# KiCad board H3.kicad_pcb (continued)
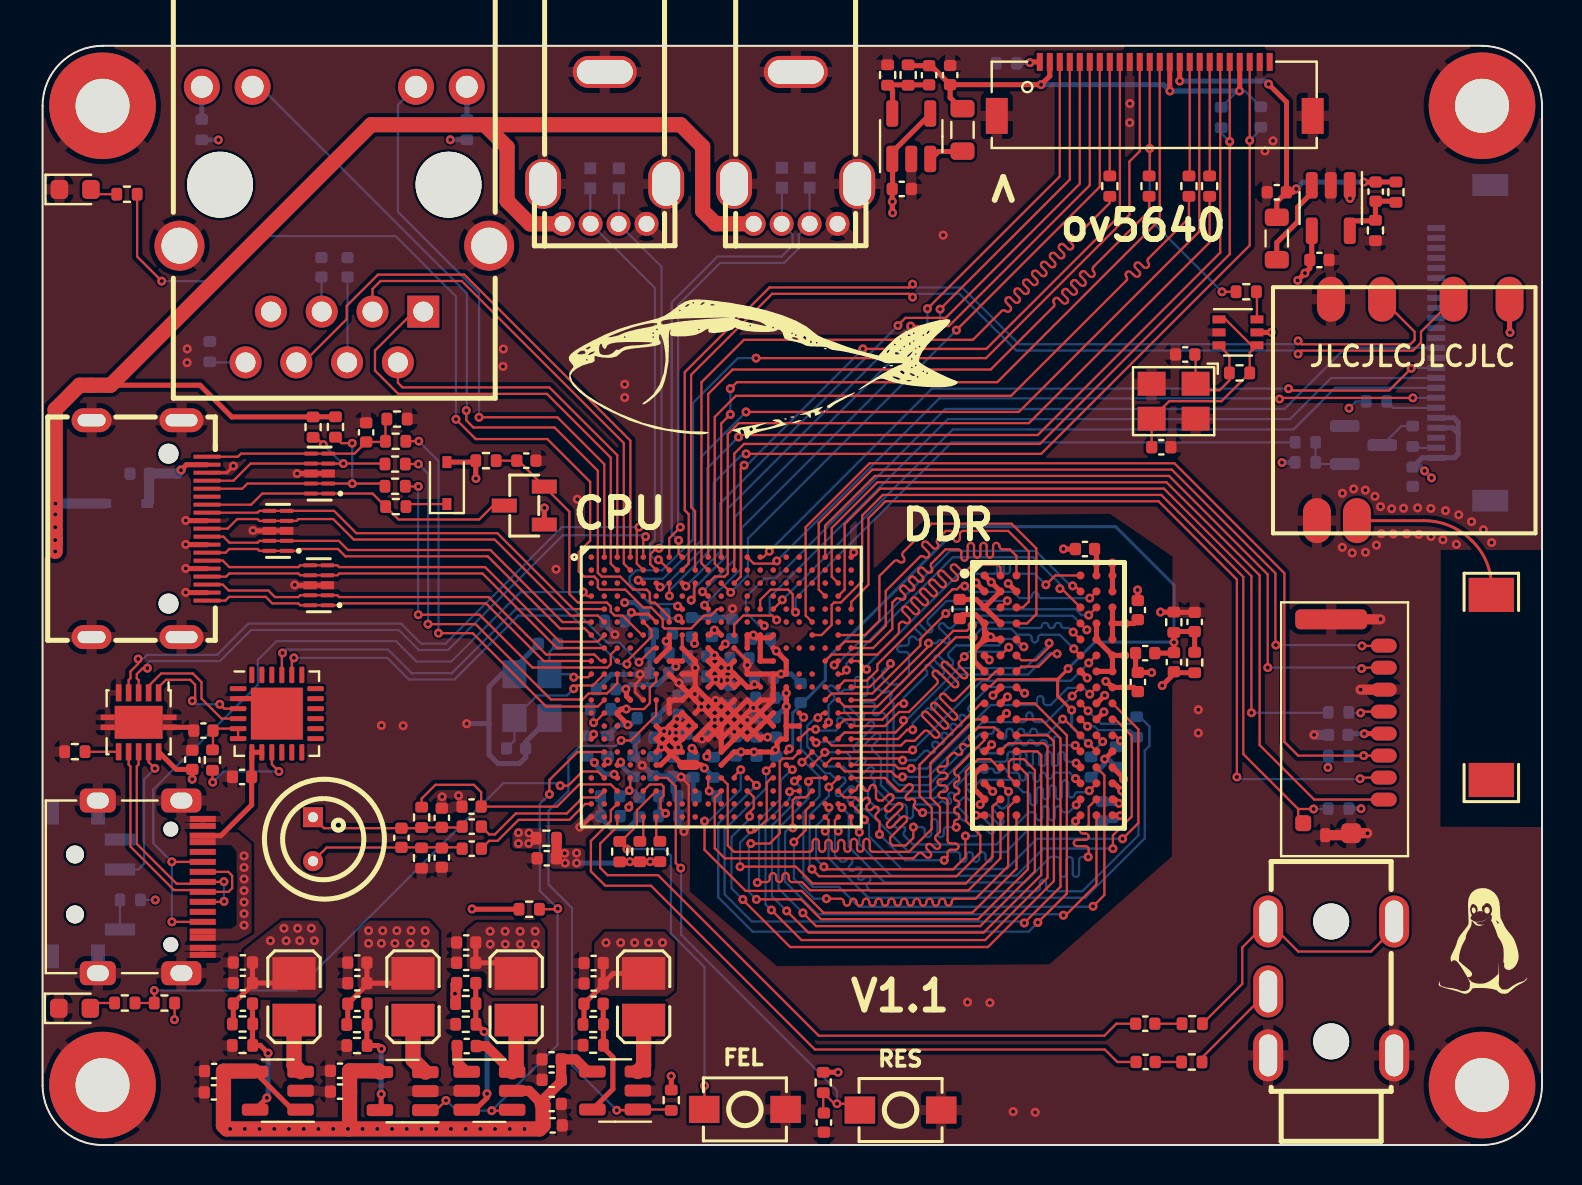
[diagram p0: board, top side]
## Routing (per net, layer and track width the routed paths; a pad name or vN(x,y) marks a point on that pad's centre or on a via; arc(x,y) is an arc through that point) (continued)
/DRAM/SA5: length 19.6
  Top w0.114: DU1.P2 47.91,18.09 v1(48.31,17.69) ; v1(39.08,13.92) 39.21,13.79 45.54,13.79 46.16,14.41 v1(46.16,15.46) ; U1.Y19 39.15,17.07 v1(39.34,16.89)
  Bottom w0.114: v1(39.34,16.89) 39.34,16.6 38.69,15.96 38.69,14.31 v1(39.08,13.92) ; v1(48.31,17.69) 48.31,17.08 48.12,16.88 arc(48,16.83) 47.89,16.88 47.76,17.01 arc(47.65,17.05) 47.54,17.01 arc(47.49,16.9) 47.54,16.78 48.02,16.3 arc(48.07,16.19) 48.02,16.08 arc(47.91,16.03) 47.8,16.08 47.38,16.49 arc(47.27,16.53) 47.16,16.49 arc(47.11,16.38) 47.16,16.26 47.57,15.85 arc(47.62,15.74) 47.57,15.63 arc(47.46,15.58) 47.35,15.63 47.02,15.96 arc(46.93,15.99) 46.84,15.96 46.79,15.91 arc(46.76,15.82) 46.79,15.73 arc(46.83,15.64) 46.79,15.56 46.7,15.46 v1(46.16,15.46)
/DRAM/SA6: length 24
  Top w0.114: U1.Y20 39.98,16.89 v1(39.98,16.89) ; DU1.R8 52.7,17.3 52.33,16.92 52.33,16.07 arc(52.28,15.95) 52.17,15.91 52.04,15.91 arc(51.92,15.86) 51.88,15.75 arc(51.92,15.64) 52.04,15.59 52.17,15.59 arc(52.28,15.54) 52.33,15.43 arc(52.28,15.32) 52.17,15.27 51.74,15.27 arc(51.62,15.22) 51.58,15.11 arc(51.62,15) 51.74,14.95 52.17,14.95 arc(52.28,14.91) 52.33,14.8 52.33,14.44 v1(52.3,14.41)
  Bottom w0.114: v1(39.98,16.89) 40.33,16.54 40.33,14.93 42.11,13.14 49.13,13.14 50.4,14.41 50.73,14.41 arc(50.84,14.37) 50.89,14.26 50.89,13.57 arc(50.94,13.46) 51.05,13.41 arc(51.16,13.46) 51.21,13.57 51.21,14.26 arc(51.26,14.37) 51.37,14.41 arc(51.48,14.37) 51.53,14.26 51.53,13.57 arc(51.57,13.46) 51.69,13.41 arc(51.8,13.46) 51.84,13.57 51.84,14.26 arc(51.89,14.37) 52,14.41 v1(52.3,14.41)
/DRAM/SA7: length 22
  Top w0.114: U1.V15 36.46,18.37 36.22,18.13 36.22,16.28 35.63,15.68 35.51,15.68 v1(35.42,15.78) ; 47.89,17.3 47.52,16.92 47.52,14.43 46.17,13.09 38.52,13.09 37.67,13.93 34.89,13.93 v1(34.89,13.93)
  Bottom w0.114: v1(34.89,13.93) 34.89,15.14 35.42,15.66 v1(35.42,15.78)
/DRAM/SA8: length 25.9
  Top w0.114: v1(51.06,11.5) 51.18,11.5 52.71,13.04 DU1.T8 ; v1(37.52,15.87) 37.52,15.87 37.52,17.25 37.67,17.39 38.17,17.39 38.49,17.72 U1.W18
  Bottom w0.114: v1(37.52,15.87) 37.35,15.87 37.19,15.71 37.18,15.71 37.14,15.67 37.14,13.17 37.15,13.17 38.76,11.55 51.01,11.55 v1(51.06,11.5)
/DRAM/SA9: length 23.3
  Top w0.114: DU1.R3 48.3,16.88 48.3,13.96 46.67,12.32 45.63,12.32 arc(45.52,12.28) 45.47,12.17 45.47,12.13 arc(45.43,12.02) 45.31,11.97 arc(45.2,12.02) 45.16,12.13 45.16,12.17 arc(45.11,12.28) 45,12.32 arc(44.89,12.28) 44.84,12.17 44.84,12.13 arc(44.79,12.02) 44.68,11.97 arc(44.57,12.02) 44.52,12.13 44.52,12.17 arc(44.47,12.28) 44.36,12.32 arc(44.25,12.28) 44.2,12.17 44.2,12.13 arc(44.16,12.02) 44.04,11.97 arc(43.93,12.02) 43.89,12.13 43.89,12.17 arc(43.84,12.28) 43.73,12.32 arc(43.62,12.28) 43.57,12.17 43.57,12.13 arc(43.52,12.02) 43.41,11.97 arc(43.3,12.02) 43.25,12.13 43.25,12.17 arc(43.2,12.28) 43.09,12.32 arc(42.98,12.28) 42.93,12.17 42.93,12.13 arc(42.89,12.02) 42.77,11.97 arc(42.66,12.02) 42.62,12.13 42.62,12.17 arc(42.57,12.28) 42.46,12.32 arc(42.35,12.28) 42.3,12.17 42.3,12.13 arc(42.25,12.02) 42.14,11.97 arc(42.03,12.02) 41.98,12.13 41.98,12.17 arc(41.93,12.28) 41.82,12.32 arc(41.71,12.28) 41.66,12.17 41.66,12.13 arc(41.62,12.02) 41.5,11.97 arc(41.39,12.02) 41.35,12.13 41.35,12.17 arc(41.3,12.28) 41.19,12.32 arc(41.08,12.28) 41.03,12.17 41.03,12.13 arc(40.98,12.02) 40.87,11.97 arc(40.76,12.02) 40.71,12.13 40.71,12.17 arc(40.66,12.28) 40.55,12.32 arc(40.44,12.28) 40.39,12.17 40.39,12.13 arc(40.35,12.02) 40.23,11.97 arc(40.12,12.02) 40.08,12.13 40.08,12.17 arc(40.03,12.28) 39.92,12.32 39.21,12.32 v1(39.2,12.32) ; v1(37.58,15.16) 38.17,15.75 38.17,16.74 U1.Y18
  Bottom w0.114: v1(39.2,12.32) 38.59,12.32 37.58,13.33 v1(37.58,15.16)
/DRAM/SA10: length 25.6
  Top w0.114: v1(51.02,21.31) 51.1,21.31 DU1.L7 ; U1.P19 39.15,20.98 v1(39.31,21.15)
  Bottom w0.114: v1(39.31,21.15) 39.31,22.02 39.57,22.27 arc(39.61,22.38) 39.57,22.49 39.33,22.73 arc(39.29,22.84) 39.33,22.95 arc(39.44,23) 39.56,22.95 39.79,22.72 arc(39.9,22.67) 40.02,22.72 40.08,22.78 40.47,22.78 arc(40.58,22.82) 40.63,22.94 40.63,23.27 arc(40.67,23.38) 40.79,23.43 arc(40.9,23.38) 40.95,23.27 40.95,22.63 arc(40.99,22.52) 41.1,22.48 41.11,22.48 arc(41.22,22.52) 41.26,22.63 41.26,23.27 arc(41.31,23.38) 41.42,23.43 arc(41.53,23.38) 41.58,23.27 41.58,22.94 arc(41.63,22.82) 41.74,22.78 41.88,22.78 41.99,22.67 arc(42.1,22.62) 42.21,22.67 arc(42.31,22.71) 42.42,22.67 42.43,22.65 arc(42.48,22.55) 42.43,22.44 arc(42.39,22.34) 42.43,22.23 42.57,22.09 42.57,18.28 42.84,18.01 44.32,18.01 46.89,20.57 47.44,20.57 arc(47.53,20.61) 47.57,20.7 arc(47.61,20.79) 47.69,20.82 47.76,20.82 arc(47.85,20.79) 47.89,20.7 47.89,20.45 arc(47.92,20.36) 48.01,20.32 48.08,20.32 arc(48.17,20.36) 48.2,20.45 48.2,20.7 arc(48.24,20.79) 48.33,20.82 48.4,20.82 arc(48.48,20.79) 48.52,20.7 arc(48.56,20.61) 48.65,20.57 arc(48.73,20.61) 48.77,20.7 arc(48.81,20.79) 48.9,20.82 48.96,20.82 arc(49.05,20.79) 49.09,20.7 arc(49.13,20.61) 49.21,20.57 49.28,20.57 arc(49.37,20.61) 49.41,20.7 arc(49.44,20.79) 49.53,20.82 49.6,20.82 arc(49.69,20.79) 49.72,20.7 arc(49.76,20.61) 49.85,20.57 50.29,20.57 v1(51.02,21.31)
/DRAM/SA11: length 22.8
  Top w0.114: U1.N19 39.02,21.62 v1(38.78,21.38) ; DU1.R7 51.7,17.09 v1(51.7,17.02)
  Bottom w0.114: v1(38.78,21.38) 38.65,21.38 38.25,20.98 38.25,19.94 39.25,18.95 40.03,18.95 41.29,17.69 41.29,17.28 41.77,16.8 arc(41.88,16.76) 41.98,16.8 arc(42.09,16.85) 42.19,16.8 42.21,16.79 arc(42.25,16.68) 42.21,16.58 arc(42.16,16.47) 42.21,16.36 42.22,16.35 arc(42.33,16.31) 42.44,16.35 42.61,16.52 arc(42.72,16.56) 42.83,16.52 arc(42.88,16.4) 42.83,16.29 42.67,16.13 arc(42.62,16.02) 42.67,15.9 arc(42.77,15.86) 42.88,15.9 arc(42.99,15.95) 43.09,15.9 43.1,15.89 arc(43.15,15.78) 43.1,15.68 arc(43.06,15.57) 43.1,15.47 43.53,15.04 47.72,15.04 49.33,16.65 49.53,16.65 arc(49.64,16.61) 49.68,16.49 49.68,16.41 arc(49.73,16.3) 49.84,16.25 arc(49.96,16.3) 50,16.41 50,16.8 arc(50.05,16.91) 50.15,16.95 50.17,16.95 arc(50.28,16.91) 50.32,16.8 50.32,16.41 arc(50.37,16.3) 50.48,16.25 arc(50.59,16.3) 50.64,16.41 50.64,16.8 arc(50.68,16.91) 50.79,16.95 50.8,16.95 arc(50.91,16.91) 50.95,16.8 arc(51,16.7) 51.1,16.65 51.33,16.65 v1(51.7,17.02)
/DRAM/SA12: length 26.5
  Top w0.114: v1(38.69,20.13) 38.5,20.32 U1.R18 ; v1(51.7,19.11) 51.91,18.9 DU1.N7
  Bottom w0.114: v1(51.7,19.11) 51.69,19.11 51.62,19.18 51.28,19.18 arc(51.17,19.22) 51.12,19.34 51.12,19.52 arc(51.07,19.63) 50.96,19.68 arc(50.85,19.63) 50.8,19.52 50.8,19.08 arc(50.77,19.01) 50.7,18.98 50.59,18.98 arc(50.51,19.01) 50.49,19.08 50.49,19.52 arc(50.44,19.63) 50.33,19.68 arc(50.21,19.63) 50.17,19.52 50.17,19.08 arc(50.14,19.01) 50.07,18.98 49.95,18.98 arc(49.88,19.01) 49.85,19.08 49.85,19.52 arc(49.8,19.63) 49.69,19.68 arc(49.58,19.63) 49.53,19.52 49.53,19.08 arc(49.5,19.01) 49.43,18.98 49.32,18.98 arc(49.24,19.01) 49.22,19.08 49.22,19.52 arc(49.17,19.63) 49.06,19.68 arc(48.94,19.63) 48.9,19.52 48.9,19.08 arc(48.87,19.01) 48.8,18.98 48.68,18.98 arc(48.61,19.01) 48.58,19.08 48.58,19.52 arc(48.53,19.63) 48.42,19.68 arc(48.31,19.63) 48.26,19.52 48.26,19.34 arc(48.22,19.22) 48.1,19.18 46.46,19.18 44.65,17.37 42.57,17.37 41.93,18.01 41.93,19.36 41.52,19.77 arc(41.47,19.88) 41.52,19.99 41.86,20.33 arc(41.91,20.44) 41.86,20.56 arc(41.75,20.6) 41.64,20.56 40.83,19.76 arc(40.72,19.71) 40.61,19.76 arc(40.56,19.87) 40.61,19.98 41.55,20.92 arc(41.6,21.03) 41.55,21.15 arc(41.44,21.19) 41.33,21.15 40.81,20.63 40.04,20.63 39.58,20.17 38.73,20.17 v1(38.69,20.13)
/DRAM/SA13: length 25.9
  Top w0.114: v1(33.11,16.21) 33.11,14.77 35.17,12.71 37.97,12.71 39.06,11.62 46.51,11.62 48.71,13.83 DU1.T3 ; U1.V12 34.6,18.45 v1(34.92,18.78)
  Bottom w0.114: 33.12,16.21 33.34,16.21 34.92,17.8 v1(34.92,18.78)
/DRAM/SA14: length 24.6
  Top w0.114: v1(51.67,16.21) 51.67,16.25 DU1.T7 ; 37.86,21.62 v1(38.07,21.41) ; U1.N17 37.9,21.62
  Bottom w0.114: v1(51.67,16.21) 51.35,15.89 49.41,15.89 48.19,14.66 47.64,14.66 arc(47.53,14.62) 47.48,14.5 47.48,14.32 arc(47.44,14.21) 47.32,14.16 arc(47.21,14.21) 47.17,14.32 47.17,14.5 arc(47.12,14.62) 47.01,14.66 arc(46.89,14.62) 46.85,14.5 46.85,14.32 arc(46.8,14.21) 46.69,14.16 arc(46.58,14.21) 46.53,14.32 46.53,14.5 arc(46.48,14.62) 46.37,14.66 arc(46.26,14.62) 46.21,14.5 46.21,14.32 arc(46.17,14.21) 46.05,14.16 arc(45.94,14.21) 45.9,14.32 45.9,14.5 arc(45.85,14.62) 45.74,14.66 43.32,14.66 41.22,16.76 arc(41.11,16.81) 41,16.76 40.9,16.67 arc(40.79,16.62) 40.68,16.67 arc(40.63,16.78) 40.68,16.89 40.94,17.15 arc(40.96,17.2) 40.94,17.26 40.82,17.38 arc(40.77,17.4) 40.71,17.38 40.53,17.19 arc(40.41,17.14) 40.3,17.19 arc(40.26,17.3) 40.3,17.41 40.57,17.68 arc(40.62,17.79) 40.57,17.91 arc(40.46,17.95) 40.35,17.91 39.94,17.5 arc(39.82,17.45) 39.71,17.5 arc(39.66,17.61) 39.71,17.72 40.12,18.13 arc(40.17,18.24) 40.12,18.36 arc(40.01,18.4) 39.9,18.36 39.88,18.33 arc(39.76,18.29) 39.65,18.33 39.39,18.6 39.14,18.6 37.93,19.81 37.93,21.27 v1(38.07,21.41)
/DRAM/SA15: length 25
  Top w0.114: v1(38.67,20.8) 38.33,20.8 U1.R17 ; DU1.M7 51.65,19.96 v1(51.65,20)
  Bottom w0.114: v1(51.65,20) 51.64,20.01 51.05,20.01 arc(50.94,20.05) 50.89,20.16 50.89,20.3 arc(50.85,20.41) 50.73,20.46 arc(50.62,20.41) 50.57,20.3 50.57,20.16 arc(50.53,20.05) 50.42,20.01 50.35,20.01 arc(50.26,20.04) 50.22,20.13 arc(50.19,20.22) 50.1,20.26 50.03,20.26 arc(49.94,20.22) 49.91,20.13 arc(49.87,20.04) 49.78,20.01 49.71,20.01 arc(49.63,20.04) 49.59,20.13 arc(49.55,20.22) 49.46,20.26 49.4,20.26 arc(49.31,20.22) 49.27,20.13 arc(49.23,20.04) 49.15,20.01 49.08,20.01 arc(48.99,20.04) 48.95,20.13 arc(48.92,20.22) 48.83,20.26 48.76,20.26 arc(48.67,20.22) 48.64,20.13 arc(48.6,20.04) 48.51,20.01 48.15,20.01 47.75,19.6 47.07,19.6 arc(46.97,19.64) 46.92,19.75 arc(46.88,19.86) 46.77,19.9 46.76,19.9 arc(46.65,19.86) 46.61,19.75 arc(46.56,19.64) 46.46,19.6 46.37,19.6 44.46,17.69 42.7,17.69 42.25,18.14 42.25,21.43 42.08,21.6 arc(41.97,21.64) 41.85,21.6 41.79,21.54 arc(41.68,21.49) 41.57,21.54 arc(41.52,21.65) 41.57,21.76 41.63,21.82 arc(41.67,21.93) 41.63,22.05 41.52,22.15 41.08,22.15 40.93,22 arc(40.88,21.88) 40.93,21.77 41.06,21.64 arc(41.1,21.53) 41.06,21.42 arc(40.94,21.37) 40.83,21.42 40.35,21.9 arc(40.24,21.95) 40.13,21.9 arc(40.08,21.79) 40.13,21.68 40.57,21.23 arc(40.62,21.12) 40.57,21.01 arc(40.46,20.96) 40.35,21.01 40.01,21.35 arc(39.89,21.39) 39.78,21.35 arc(39.74,21.23) 39.78,21.12 39.81,21.1 arc(39.85,20.99) 39.81,20.87 39.67,20.74 38.73,20.74 v1(38.67,20.8)
/DRAM/SBA0: length 31.9
  Top w0.114: v1(36.45,11.76) 37.96,10.26 47.14,10.26 50.27,13.38 50.27,19.92 50.08,20.11 48.32,20.11 DU1.M2 ; v1(37.36,17.68) 37.4,17.72 U1.W17
  Bottom w0.114: v1(37.36,17.68) 37.36,17.32 36.16,16.12 36.16,12.03 36.43,11.76 v1(36.45,11.76)
/DRAM/SBA1: length 29.7
  Top w0.114: v1(52.54,11.95) 53.11,12.51 53.11,18.5 DU1.N8 ; U1.T18 38.49,19.66 v1(37.98,19.15)
  Bottom w0.114: v1(52.54,11.95) 52.52,11.92 40.83,11.92 39.84,12.92 38.52,12.92 38.14,13.3 38.14,13.3 38.05,13.39 38.05,16.64 38.86,17.44 38.86,18.43 38.14,19.15 v1(37.98,19.15)
/DRAM/SBA2: length 29.5
  Top w0.114: U1.V17 37.76,18.37 v1(37.61,18.21) ; v1(37.22,11.71) 38.3,10.63 47.07,10.63 49.95,13.51 49.95,19.51 49.76,19.7 DU1.M3
  Bottom w0.114: v1(37.22,11.71) 36.48,12.45 36.48,15.99 37.92,17.42 37.92,17.9 v1(37.61,18.21)
/DRAM/SCAS: length 35.7
  Top w0.114: U1.U15 36.49,19.02 v1(36.19,18.72) ; DU1.K3 49.96,21.3 50.91,20.34 50.91,12.92 v1(49.1,11.11)
  Bottom w0.114: v1(36.19,18.72) 36.19,17.86 34.11,15.78 34.11,12.55 35.48,11.18 49.03,11.18 v1(49.1,11.11)
/DRAM/SCK_N: length 30.1
  Top w0.114: DU1.K7 51.92,21.3 v1(52.27,20.95) ; v1(39.8,15.7) 39.63,15.87 39.63,16.25 U1.AA20
  Bottom w0.114: v1(52.27,20.95) 52.62,20.95 52.81,20.76 54.39,20.76 54.81,20.34 54.81,15.5 52.01,12.7 50.36,12.7 arc(50.24,12.75) 50.2,12.86 50.2,13.11 arc(50.15,13.22) 50.04,13.27 arc(49.93,13.22) 49.88,13.11 49.88,12.86 arc(49.83,12.75) 49.72,12.7 41.42,12.7 41.27,12.86 arc(41.22,12.97) 41.27,13.08 41.36,13.18 arc(41.41,13.29) 41.36,13.4 arc(41.25,13.45) 41.14,13.4 41.04,13.31 arc(40.93,13.26) 40.82,13.31 arc(40.77,13.42) 40.82,13.53 40.91,13.63 arc(40.96,13.74) 40.91,13.85 arc(40.8,13.9) 40.69,13.85 40.59,13.76 arc(40.48,13.71) 40.37,13.76 arc(40.32,13.87) 40.37,13.98 40.46,14.07 arc(40.51,14.19) 40.46,14.3 arc(40.35,14.35) 40.24,14.3 40.14,14.21 arc(40.03,14.16) 39.92,14.21 39.63,14.49 39.63,15.54 v1(39.8,15.7)
/DRAM/SCK_P: length 30.1
  Top w0.114: U1.AA19 39.31,16.25 39.31,15.87 v1(39.15,15.7) ; DU1.J7 v1(52.29,21.72)
  Bottom w0.114: v1(39.15,15.7) 39.31,15.54 39.31,14.36 41.3,12.38 52.16,12.38 55.13,15.35 55.13,19.73 55.36,19.97 55.36,20.95 54.83,21.48 54.83,21.49 54.42,21.08 52.94,21.08 52.3,21.72 v1(52.29,21.72)
/DRAM/SCKE0: length 22.8
  Top w0.114: U1.AA21 40.45,16.06 v1(40.85,15.65) ; DU1.K9 53.66,21.3 54.48,20.48 54.48,16.44 53.54,15.5 v1(53.54,14.83)
  Bottom w0.114: v1(40.85,15.65) 40.85,15.06 42.44,13.47 48.7,13.47 50.06,14.83 v1(53.54,14.83)
/DRAM/SCKE1: length 23.6
  Top w0.114: DU1.J9 54.81,20.8 54.81,16.11 v1(54.02,15.32) ; U1.Y21 41.11,16.41 v1(41.11,16.27)
  Bottom w0.114: v1(41.11,16.27) 41.34,16.04 41.34,15.44 42.97,13.81 48.22,13.81 49.73,15.32 v1(54.02,15.32)
/DRAM/SCS0: length 20.8
  Top w0.114: v1(41.86,15.54) 41.86,16.18 41.7,16.34 arc(41.65,16.46) 41.7,16.57 41.79,16.66 arc(41.84,16.77) 41.79,16.89 arc(41.68,16.93) 41.56,16.89 41.47,16.79 arc(41.36,16.75) 41.25,16.79 arc(41.2,16.91) 41.25,17.02 41.34,17.11 arc(41.39,17.22) 41.34,17.34 arc(41.23,17.38) 41.12,17.34 41.02,17.24 arc(40.91,17.2) 40.8,17.24 40.65,17.39 40.1,17.39 39.8,17.7 U1.W20 ; v1(45.1,14.25) 45.27,14.42 45.27,14.61 arc(45.31,14.73) 45.42,14.77 45.66,14.77 arc(45.77,14.82) 45.82,14.93 arc(45.77,15.04) 45.66,15.09 45.42,15.09 arc(45.31,15.14) 45.27,15.25 45.27,17.2 arc(45.22,17.31) 45.11,17.36 44.97,17.36 arc(44.86,17.4) 44.82,17.52 arc(44.86,17.63) 44.97,17.68 45.11,17.68 arc(45.22,17.72) 45.27,17.83 arc(45.22,17.95) 45.11,17.99 44.92,17.99 arc(44.81,18.04) 44.77,18.15 arc(44.81,18.26) 44.92,18.31 45.11,18.31 arc(45.22,18.36) 45.27,18.47 arc(45.22,18.58) 45.11,18.63 44.92,18.63 arc(44.81,18.67) 44.77,18.79 arc(44.81,18.9) 44.92,18.95 45.11,18.95 arc(45.22,18.99) 45.27,19.1 45.27,19.36 45.48,19.58 arc(45.6,19.63) 45.71,19.58 45.73,19.56 arc(45.84,19.51) 45.96,19.56 arc(46,19.67) 45.96,19.78 45.93,19.81 arc(45.89,19.92) 45.93,20.03 arc(46.05,20.08) 46.16,20.03 46.18,20.01 arc(46.29,19.96) 46.41,20.01 arc(46.45,20.12) 46.41,20.23 46.38,20.25 arc(46.34,20.37) 46.38,20.48 46.8,20.9 47.61,20.9 47.91,20.59 DU1.L2
  Bottom w0.114: v1(45.1,14.25) 43.16,14.25 v1(41.86,15.54)
/DRAM/SCS1: length 22.4
  Top w0.114: DU1.L1 47.11,20.26 45.6,18.74 45.6,18.63 arc(45.63,18.54) 45.72,18.5 arc(45.81,18.47) 45.85,18.38 45.85,18.31 arc(45.81,18.22) 45.72,18.18 arc(45.63,18.15) 45.6,18.06 45.6,17.99 arc(45.63,17.9) 45.72,17.87 arc(45.81,17.83) 45.85,17.74 45.85,17.67 arc(45.81,17.59) 45.72,17.55 arc(45.63,17.51) 45.6,17.42 45.6,17.36 arc(45.63,17.27) 45.72,17.23 arc(45.81,17.2) 45.85,17.11 45.85,17.04 arc(45.81,16.95) 45.72,16.91 arc(45.63,16.88) 45.6,16.79 45.6,16.72 arc(45.63,16.63) 45.72,16.6 arc(45.81,16.56) 45.85,16.47 45.85,16.4 arc(45.81,16.32) 45.72,16.28 arc(45.63,16.24) 45.6,16.15 45.6,16 v1(45.7,15.9) ; U1.W21 40.58,17.72 arc(40.69,17.76) 40.73,17.87 arc(40.78,17.97) 40.88,18.02 40.9,18.02 arc(41.01,17.97) 41.05,17.87 arc(41.1,17.76) 41.2,17.72 41.22,17.72 arc(41.33,17.76) 41.37,17.87 arc(41.41,17.97) 41.52,18.02 41.54,18.02 arc(41.64,17.97) 41.69,17.87 41.69,17.36 41.81,17.24 42.01,17.24 42.29,17.52 42.3,17.52 arc(42.4,17.56) 42.51,17.52 42.52,17.51 arc(42.57,17.4) 42.52,17.29 42.18,16.95 arc(42.13,16.83) 42.18,16.72 arc(42.29,16.68) 42.4,16.72 42.75,17.07 arc(42.85,17.11) 42.96,17.07 42.97,17.06 arc(43.02,16.95) 42.97,16.85 42.27,16.14 arc(42.22,16.03) 42.27,15.92 arc(42.38,15.87) 42.5,15.92 42.98,16.4 arc(43.09,16.45) 43.2,16.4 ; v1(43.56,15.91) 43.55,15.9 43.55,15.37 43.17,14.99 42.52,14.99 42.39,15.12 42.39,15.38 43.2,16.18 arc(43.24,16.29) 43.2,16.41
  Bottom w0.114: v1(45.7,15.9) 45.69,15.91 45.24,15.91 arc(45.12,15.86) 45.08,15.75 45.08,15.57 arc(45.03,15.45) 44.92,15.41 arc(44.81,15.45) 44.76,15.57 44.76,16.15 arc(44.71,16.26) 44.6,16.31 arc(44.49,16.26) 44.44,16.15 44.44,15.57 arc(44.4,15.45) 44.28,15.41 arc(44.17,15.45) 44.12,15.57 44.12,15.75 arc(44.08,15.86) 43.97,15.91 43.56,15.91 v1(43.56,15.91)
/DRAM/SDQ0: length 14.9
  Top w0.114: U1.N20 41.89,21.62 45.68,25.41 v1(46.54,25.41) ; v1(51.58,24.83) 51.91,24.5 DU1.F7
  Bottom w0.114: v1(46.54,25.41) 46.96,25.83 48.45,25.83 48.75,25.53 49.31,25.53 arc(49.43,25.49) 49.47,25.37 49.47,25.31 arc(49.52,25.2) 49.63,25.15 arc(49.74,25.2) 49.79,25.31 49.79,25.37 arc(49.84,25.49) 49.95,25.53 50.88,25.53 51.58,24.83 v1(51.58,24.83)
/DRAM/SDQ1: length 14.9
  Top w0.114: v1(48.33,24.91) 47.92,24.5 DU1.F2 ; U1.P21 42.14,20.97 42.84,21.67 43.33,21.67 44.74,23.07 arc(44.78,23.18) 44.74,23.3 44.56,23.47 arc(44.52,23.58) 44.56,23.69 arc(44.68,23.74) 44.79,23.69 45.54,22.95 arc(45.65,22.9) 45.76,22.95 arc(45.81,23.06) 45.76,23.17 45.01,23.92 arc(44.97,24.03) 45.01,24.14 arc(45.12,24.19) 45.24,24.14 45.98,23.39 arc(46.1,23.35) 46.21,23.39 arc(46.26,23.51) 46.21,23.62 45.86,23.97 arc(45.81,24.08) 45.86,24.19 v1(46.11,24.44)
  Bottom w0.114: v1(48.33,24.91) 48.1,24.68 46.35,24.68 v1(46.11,24.44)
/DRAM/SDQ2: length 14.9
  Top w0.114: v1(43.08,22.09) 42.81,22.09 42.01,21.29 40.12,21.29 U1.P20 ; v1(49.09,24.93) 48.72,25.3 DU1.E3
  Bottom w0.114: v1(43.08,22.09) 43.08,22.38 44.21,23.52 arc(44.26,23.63) 44.21,23.74 44.19,23.77 arc(44.14,23.88) 44.19,23.99 arc(44.3,24.04) 44.41,23.99 44.83,23.57 arc(44.94,23.53) 45.05,23.57 arc(45.1,23.69) 45.05,23.8 44.63,24.22 arc(44.59,24.33) 44.63,24.44 arc(44.75,24.49) 44.86,24.44 45.28,24.02 arc(45.39,23.98) 45.5,24.02 arc(45.55,24.14) 45.5,24.25 45.33,24.42 arc(45.29,24.53) 45.33,24.64 45.69,25 47.84,25 48.16,25.33 48.49,25.33 48.89,24.93 v1(49.09,24.93)
/DRAM/SDQ3: length 14.9
  Top w0.114: v1(52.38,22.56) 52.71,22.9 DU1.H8 ; U1.U21 42.64,19.02 42.81,18.84 v1(43.45,18.84)
  Bottom w0.114: v1(52.38,22.56) 52.06,22.87 51.28,22.87 50.42,22.01 50.22,22.01 arc(50.11,22.06) 50.06,22.17 50.06,22.31 arc(50.02,22.42) 49.9,22.47 arc(49.79,22.42) 49.74,22.31 49.74,22.17 arc(49.7,22.06) 49.59,22.01 47.42,22.01 44.25,18.84 v1(43.45,18.84)
/DRAM/SDQ4: length 18
  Top w0.114: DU1.G2 47.67,23.7 47.28,23.31 46.7,23.31 45.66,22.27 arc(45.54,22.22) 45.43,22.27 45.16,22.54 arc(45.04,22.59) 44.93,22.54 arc(44.88,22.43) 44.93,22.32 45.71,21.54 arc(45.75,21.43) 45.71,21.32 arc(45.6,21.27) 45.48,21.32 44.71,22.09 arc(44.59,22.14) 44.48,22.09 arc(44.44,21.98) 44.48,21.87 45.26,21.09 arc(45.31,20.98) 45.26,20.87 arc(45.15,20.82) 45.03,20.87 44.26,21.65 arc(44.15,21.69) 44.03,21.65 arc(43.99,21.53) 44.03,21.42 44.81,20.64 arc(44.86,20.53) 44.81,20.42 arc(44.7,20.37) 44.59,20.42 44.31,20.7 arc(44.2,20.74) 44.08,20.7 43.61,20.22 43.17,20.22 42.93,19.99 39.47,19.99 U1.R19
/DRAM/SDQ5: length 14.9
  Top w0.114: v1(43.52,19.77) 43.42,19.67 U1.T20 ; DU1.F8 52.7,24.5 v1(52.33,24.12)
  Bottom w0.114: v1(52.33,24.12) 51.43,23.23 46.99,23.23 43.53,19.77
/DRAM/SDQ6: length 14.8
  Top w0.114: U1.U19 39.47,19.34 42.94,19.34 v1(43.02,19.26) ; v1(49.12,22.61) 49,22.61 DU1.H3
  Bottom w0.114: v1(49.12,22.61) 48.82,22.91 47.32,22.91 46.34,21.94 arc(46.29,21.82) 46.34,21.71 46.39,21.66 arc(46.44,21.55) 46.39,21.44 arc(46.28,21.39) 46.17,21.44 46.12,21.49 arc(46,21.53) 45.89,21.49 arc(45.85,21.37) 45.89,21.26 45.94,21.21 arc(45.99,21.1) 45.94,20.99 arc(45.83,20.94) 45.72,20.99 45.67,21.04 arc(45.56,21.08) 45.44,21.04 arc(45.4,20.93) 45.44,20.81 45.49,20.76 arc(45.54,20.65) 45.49,20.54 arc(45.38,20.49) 45.27,20.54 45.22,20.59 arc(45.11,20.64) 44.99,20.59 arc(44.95,20.48) 44.99,20.36 45.04,20.31 arc(45.09,20.2) 45.04,20.09 arc(44.93,20.04) 44.82,20.09 44.77,20.14 arc(44.66,20.19) 44.55,20.14 arc(44.5,20.03) 44.55,19.92 44.6,19.86 arc(44.64,19.75) 44.6,19.64 arc(44.48,19.59) 44.37,19.64 44.32,19.69 arc(44.22,19.74) 44.12,19.71 43.66,19.26 v1(43.02,19.26)
/DRAM/SDQ7: length 14.9
  Top w0.114: U1.U20 39.8,19.02 40.13,18.69 42.45,18.69 42.72,18.42 v1(43.01,18.42) ; v1(51.5,22.46) 51.5,22.48 DU1.H7
  Bottom w0.114: v1(51.5,22.46) 50.2,21.16 49.68,21.16 arc(49.57,21.21) 49.52,21.32 49.52,21.48 arc(49.48,21.6) 49.37,21.64 arc(49.25,21.6) 49.21,21.48 49.21,21.32 arc(49.16,21.21) 49.05,21.16 47.03,21.16 44.28,18.42 v1(43.01,18.42)
/DRAM/SDQ8: length 19
  Top w0.114: U1.J19 39.47,24.54 41.76,24.54 42.83,25.62 42.83,26.07 42.91,26.15 arc(43.02,26.19) 43.12,26.15 arc(43.23,26.1) 43.34,26.15 43.35,26.16 arc(43.39,26.26) 43.35,26.37 43.04,26.68 arc(42.99,26.8) 43.04,26.91 arc(43.15,26.95) 43.26,26.91 43.57,26.6 arc(43.68,26.55) 43.79,26.6 43.8,26.61 arc(43.84,26.71) 43.8,26.82 43.49,27.13 arc(43.44,27.24) 43.49,27.36 arc(43.6,27.4) 43.71,27.36 44.02,27.04 arc(44.13,27) 44.23,27.04 44.25,27.06 arc(44.29,27.16) 44.25,27.27 43.94,27.58 arc(43.89,27.69) 43.94,27.81 arc(44.05,27.85) 44.16,27.81 44.47,27.49 arc(44.58,27.45) 44.68,27.49 44.7,27.51 arc(44.74,27.61) 44.7,27.72 44.38,28.03 arc(44.34,28.14) 44.38,28.25 arc(44.5,28.3) 44.61,28.25 44.92,27.94 arc(45.03,27.9) 45.13,27.94 45.15,27.95 arc(45.19,28.06) 45.15,28.17 44.83,28.48 arc(44.79,28.59) 44.83,28.7 arc(44.95,28.75) 45.06,28.7 45.49,28.27 arc(45.61,28.22) 45.74,28.27 45.75,28.28 arc(45.8,28.4) 45.75,28.51 45.47,28.79 arc(45.43,28.9) 45.47,29.01 arc(45.58,29.06) 45.7,29.01 45.97,28.73 arc(46.09,28.69) 46.2,28.73 46.49,29.03 47.79,29.03 47.91,28.91 DU1.A2
/DRAM/SDQ9: length 18.9
  Top w0.114: DU1.C3 49.04,26.9 49.33,27.19 49.33,29.7 48.3,30.73 46.04,30.73 arc(45.93,30.68) 45.88,30.57 45.88,30.34 arc(45.84,30.23) 45.73,30.18 arc(45.61,30.23) 45.57,30.34 45.57,30.57 arc(45.52,30.68) 45.41,30.73 45.18,30.73 44.76,30.31 arc(44.72,30.21) 44.76,30.1 arc(44.81,30) 44.76,29.89 44.75,29.88 arc(44.65,29.83) 44.54,29.88 44.26,30.15 arc(44.15,30.2) 44.04,30.15 arc(43.99,30.04) 44.04,29.93 44.32,29.65 arc(44.36,29.55) 44.32,29.44 44.3,29.43 arc(44.2,29.38) 44.09,29.43 arc(43.98,29.47) 43.88,29.43 42.17,27.72 42.17,25.98 41.38,25.19 40.12,25.19 U1.H20
/DRAM/SDQ10: length 18.9
  Top w0.114: DU1.A3 48.71,29.47 48.38,29.81 48.02,29.81 arc(47.91,29.85) 47.86,29.97 47.86,29.97 arc(47.81,30.08) 47.7,30.13 arc(47.59,30.08) 47.54,29.97 47.54,29.54 arc(47.5,29.43) 47.38,29.38 arc(47.27,29.43) 47.22,29.54 47.22,29.97 arc(47.18,30.08) 47.07,30.13 arc(46.95,30.08) 46.91,29.97 46.91,29.54 arc(46.86,29.43) 46.75,29.38 arc(46.64,29.43) 46.59,29.54 46.59,29.97 arc(46.54,30.08) 46.43,30.13 arc(46.32,30.08) 46.27,29.97 46.27,29.39 arc(46.23,29.28) 46.11,29.23 arc(46,29.28) 45.95,29.39 45.95,29.65 arc(45.91,29.76) 45.8,29.81 45.17,29.81 44.65,29.29 44.65,29.29 44.46,29.11 arc(44.42,29) 44.46,28.89 arc(44.51,28.79) 44.46,28.68 44.45,28.67 arc(44.34,28.62) 44.24,28.67 44.04,28.86 arc(43.96,28.9) 43.87,28.86 43.82,28.82 arc(43.78,28.73) 43.82,28.64 44.01,28.44 arc(44.06,28.34) 44.01,28.23 44,28.22 arc(43.9,28.18) 43.79,28.22 43.59,28.41 arc(43.51,28.45) 43.42,28.41 43.37,28.37 arc(43.33,28.28) 43.37,28.19 43.56,27.99 arc(43.61,27.89) 43.56,27.78 43.55,27.77 arc(43.45,27.73) 43.34,27.77 43.15,27.96 arc(43.06,28) 42.97,27.96 42.92,27.92 arc(42.88,27.83) 42.92,27.74 43.12,27.55 arc(43.16,27.44) 43.12,27.33 43.1,27.32 arc(43,27.28) 42.89,27.32 arc(42.79,27.37) 42.68,27.32 42.5,27.14 42.5,25.82 41.55,24.87 U1.H21
/DRAM/SDQ11: length 15.9
  Top w0.114: U1.J21 40.8,24.22 v1(41.22,23.8) ; v1(50.18,28.03) 50.65,28.5 DU1.A7
  Bottom w0.114: v1(41.22,23.8) 41.22,23.97 45.83,28.58 47.6,28.58 arc(47.71,28.63) 47.75,28.74 47.75,28.99 arc(47.8,29.11) 47.91,29.15 arc(48.03,29.11) 48.07,28.99 48.07,28.74 arc(48.12,28.63) 48.23,28.58 arc(48.34,28.63) 48.39,28.74 48.39,28.99 arc(48.44,29.11) 48.55,29.15 arc(48.66,29.11) 48.71,28.99 48.71,28.74 arc(48.75,28.63) 48.87,28.58 49.64,28.58 v1(50.18,28.03)
/DRAM/SDQ12: length 15.9
  Top w0.114: DU1.B8 52.71,27.7 v1(52.38,27.36) ; v1(46.12,27.96) 45.9,27.96 45.74,27.81 45.51,27.81 41.75,24.05 41.75,23.75 41.24,23.24 40.12,23.24 U1.L20
  Bottom w0.114: v1(46.12,27.96) 46.41,27.68 48.56,27.68 48.87,27.36 49.35,27.36 arc(49.45,27.41) 49.49,27.51 arc(49.53,27.61) 49.64,27.66 49.66,27.66 arc(49.77,27.61) 49.81,27.51 arc(49.85,27.41) 49.95,27.36 v1(52.38,27.36)
/DRAM/SDQ13: length 15.9
  Top w0.114: U1.L21 41.09,22.92 41.37,22.92 42.41,23.95 v1(42.41,24.09) ; v1(48.25,27.23) 48.25,27.23 DU1.C2
  Bottom w0.114: v1(42.41,24.09) 42.01,23.69 42.01,23.38 42.35,23.04 42.89,23.04 43.34,23.49 43.34,24.51 arc(43.29,24.62) 43.18,24.67 42.91,24.67 arc(42.8,24.71) 42.75,24.83 arc(42.8,24.94) 42.91,24.98 43.18,24.98 arc(43.29,25.03) 43.34,25.14 43.34,25.34 43.4,25.41 arc(43.51,25.45) 43.63,25.41 43.72,25.31 arc(43.83,25.27) 43.94,25.31 arc(43.99,25.42) 43.94,25.54 43.67,25.81 arc(43.64,25.88) 43.67,25.96 43.75,26.04 arc(43.82,26.07) 43.89,26.04 44.24,25.69 arc(44.35,25.64) 44.46,25.69 arc(44.51,25.8) 44.46,25.92 44.3,26.08 arc(44.25,26.19) 44.3,26.3 45.22,27.23 48.25,27.23 v1(48.25,27.23)
/DRAM/SDQ14: length 15.9